# Altium PCB HYDRA_V3_NAV_CRIPPLED.PcbDoc (part 1 of 2) (continued)
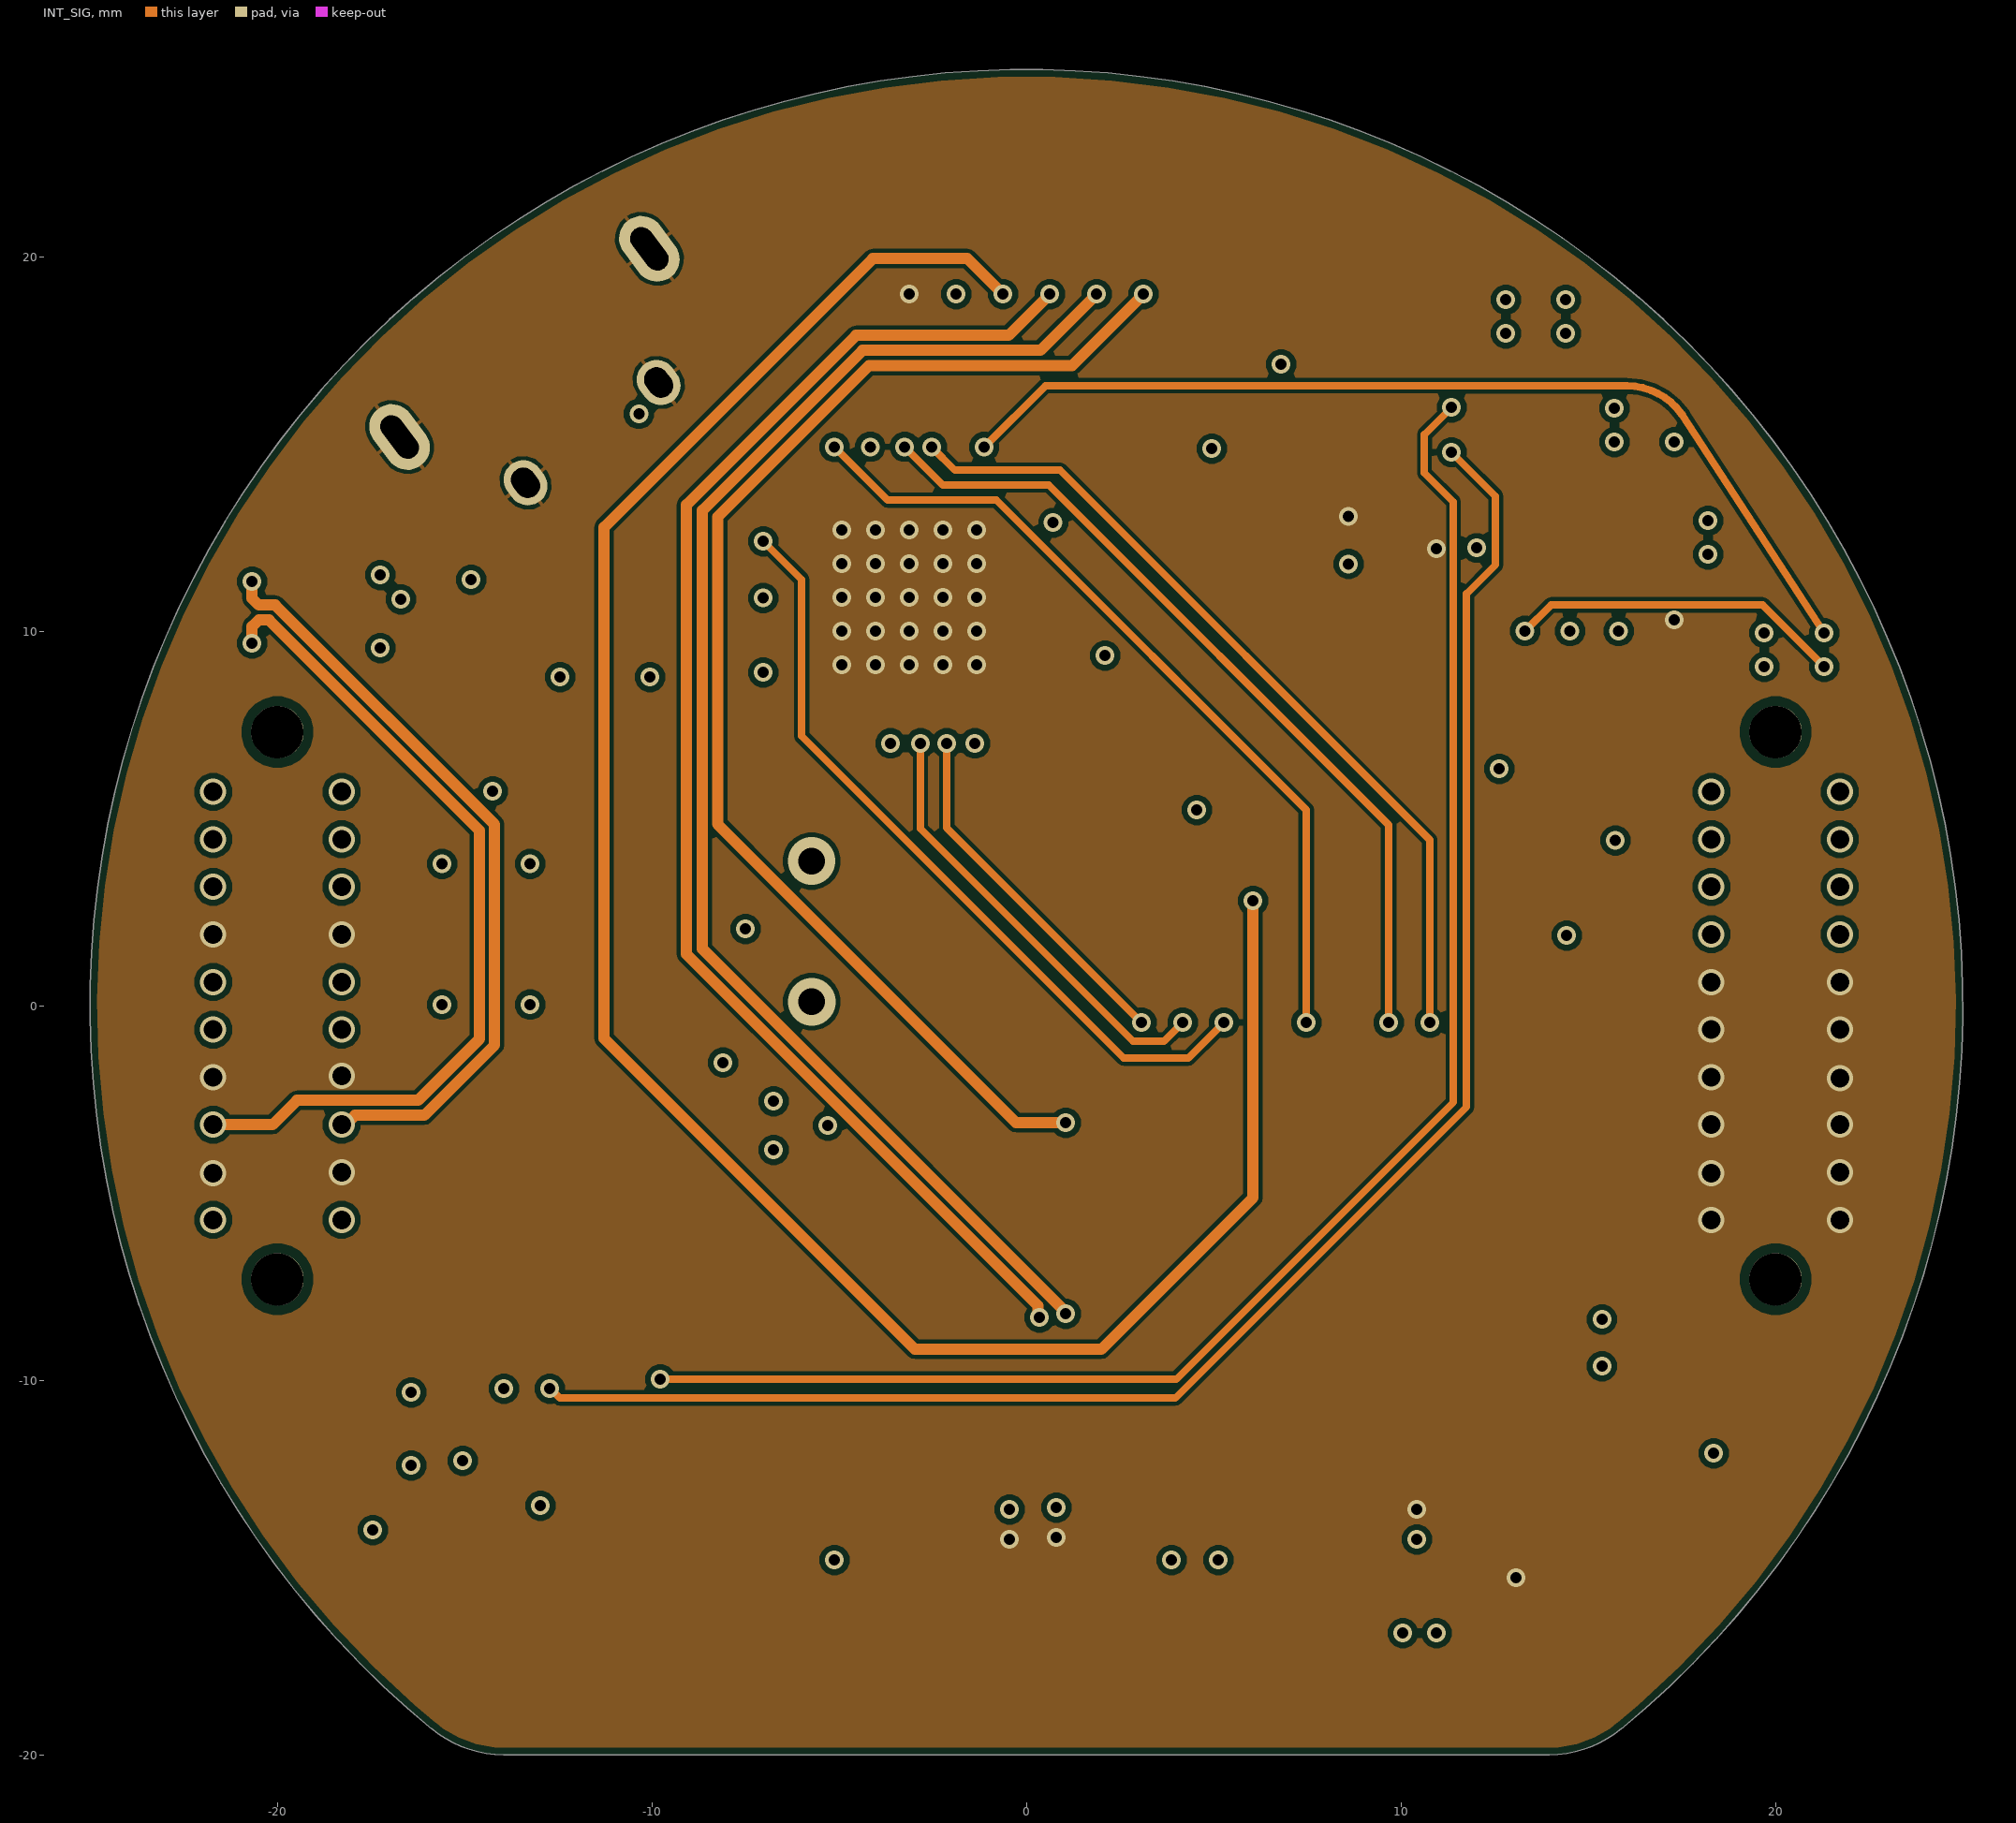
[diagram p3: INT_SIG]
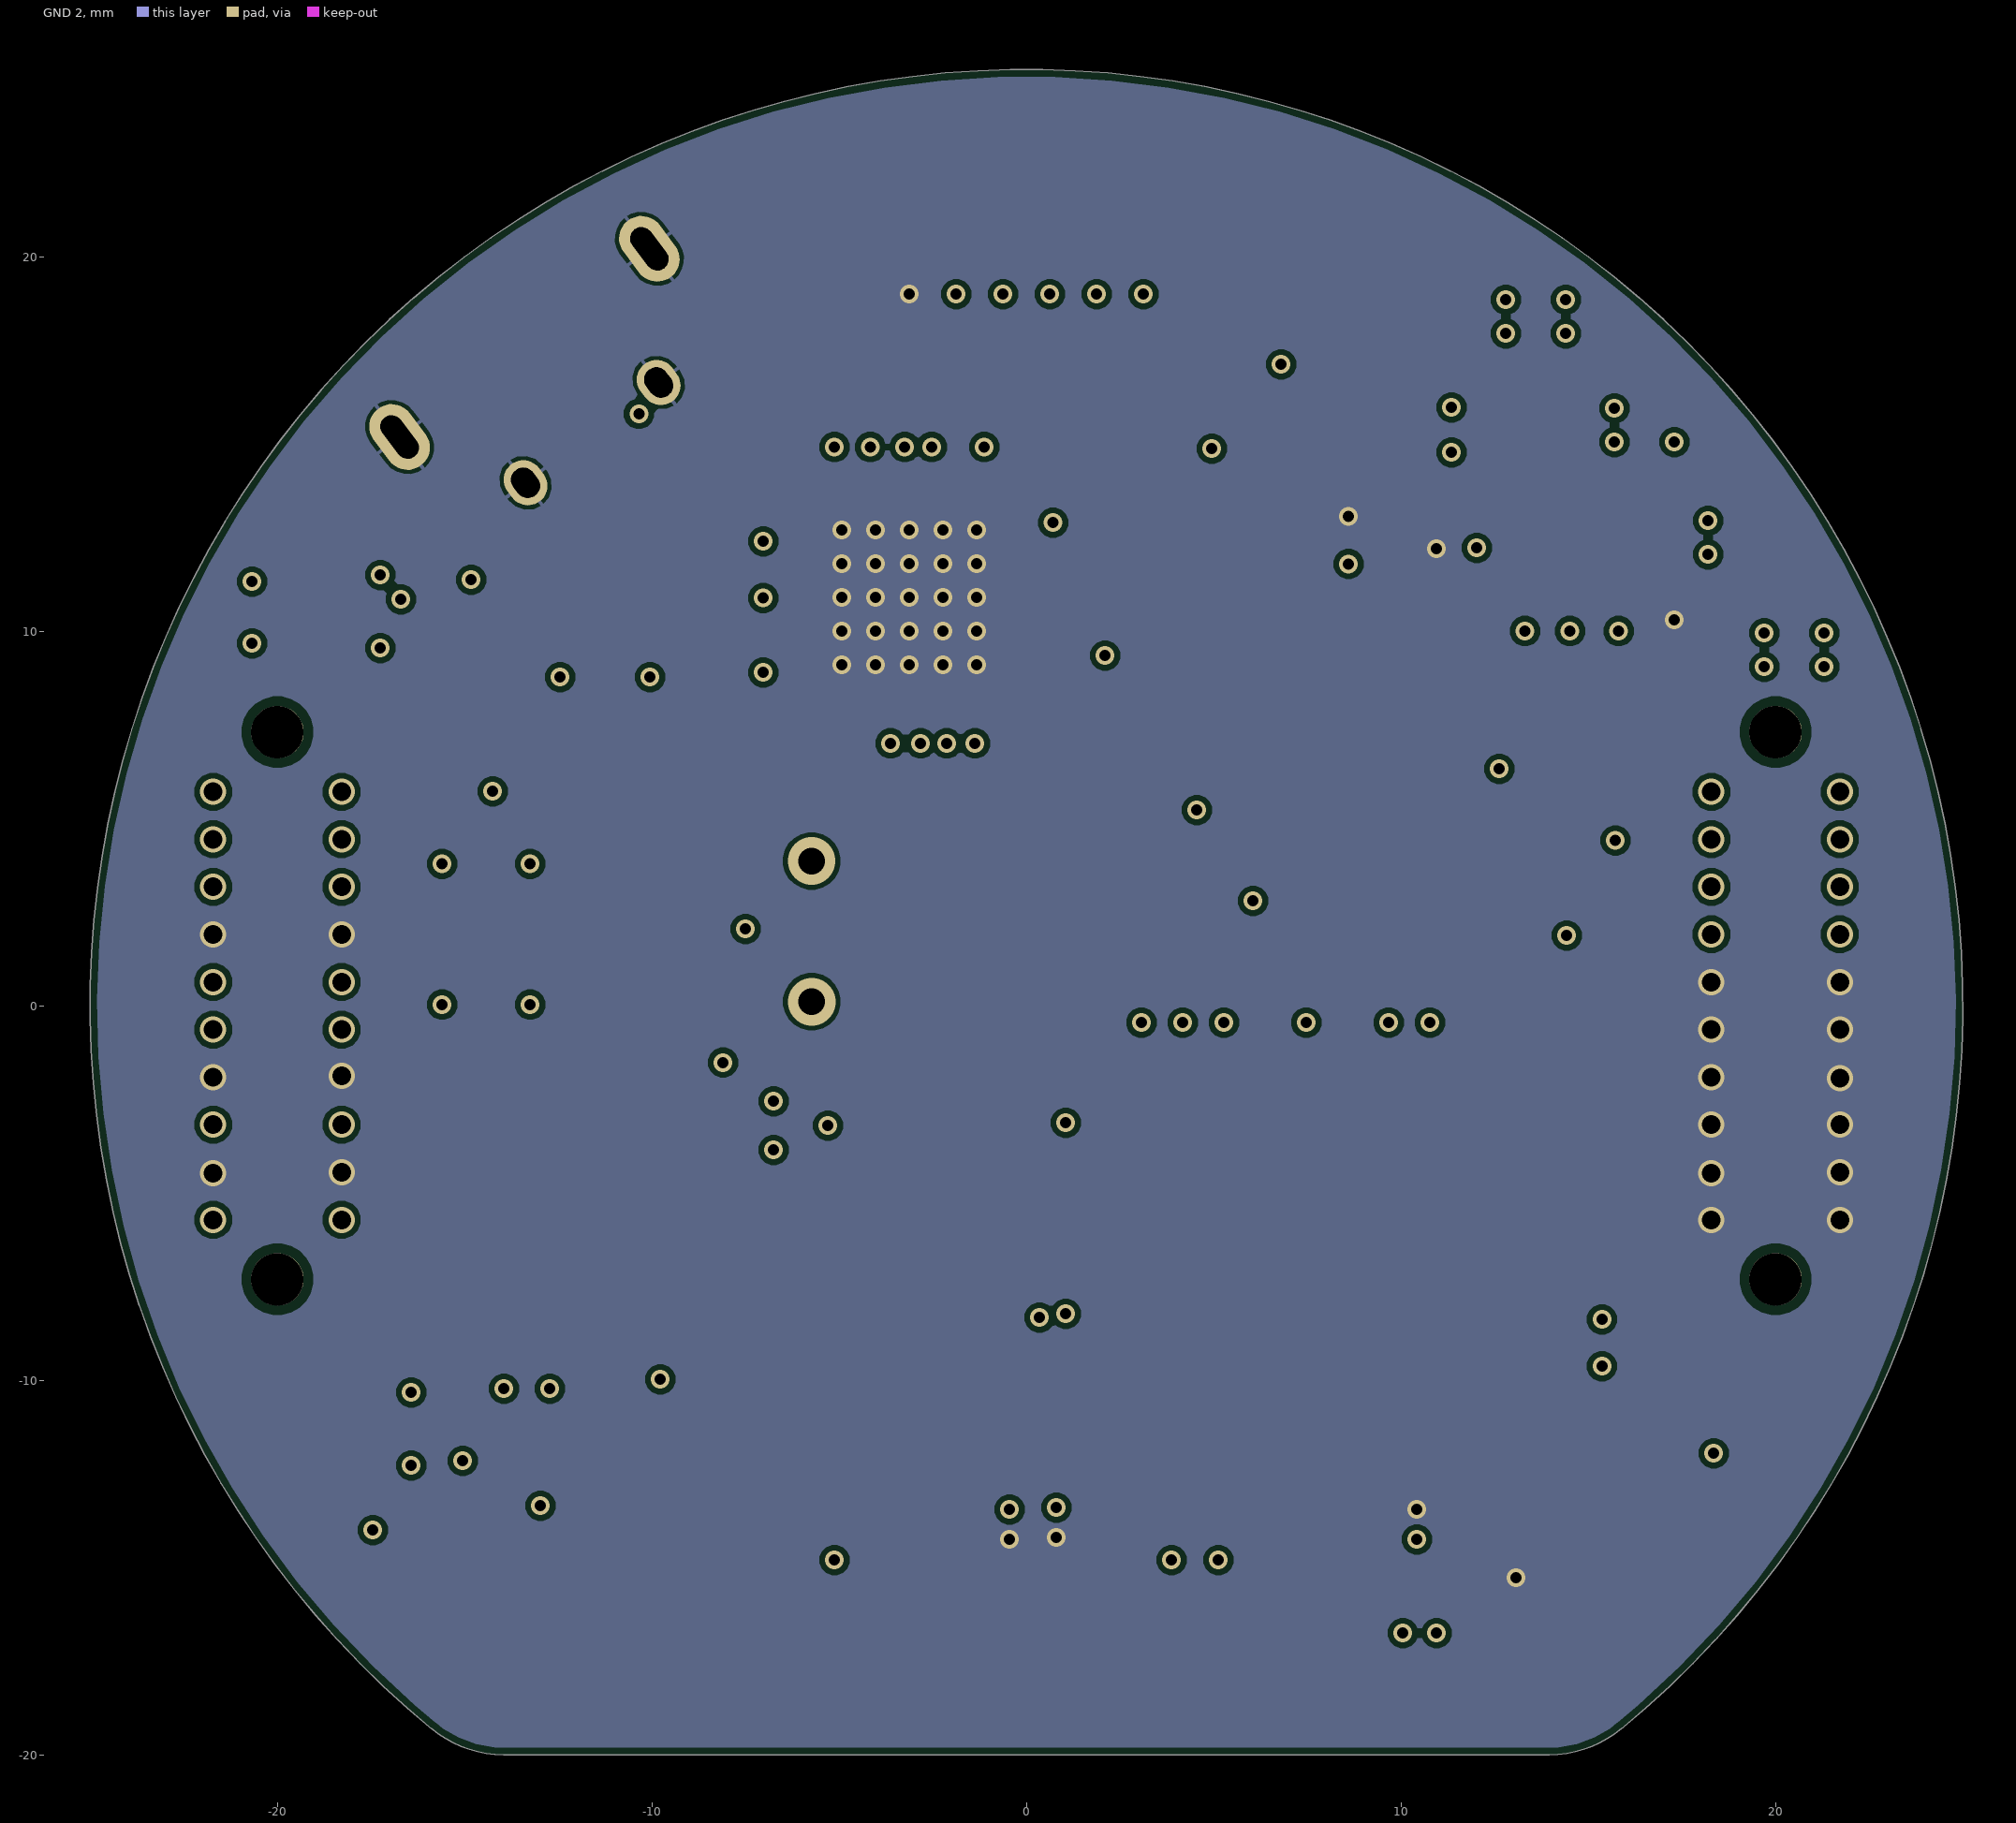
[diagram p4: GND 2]
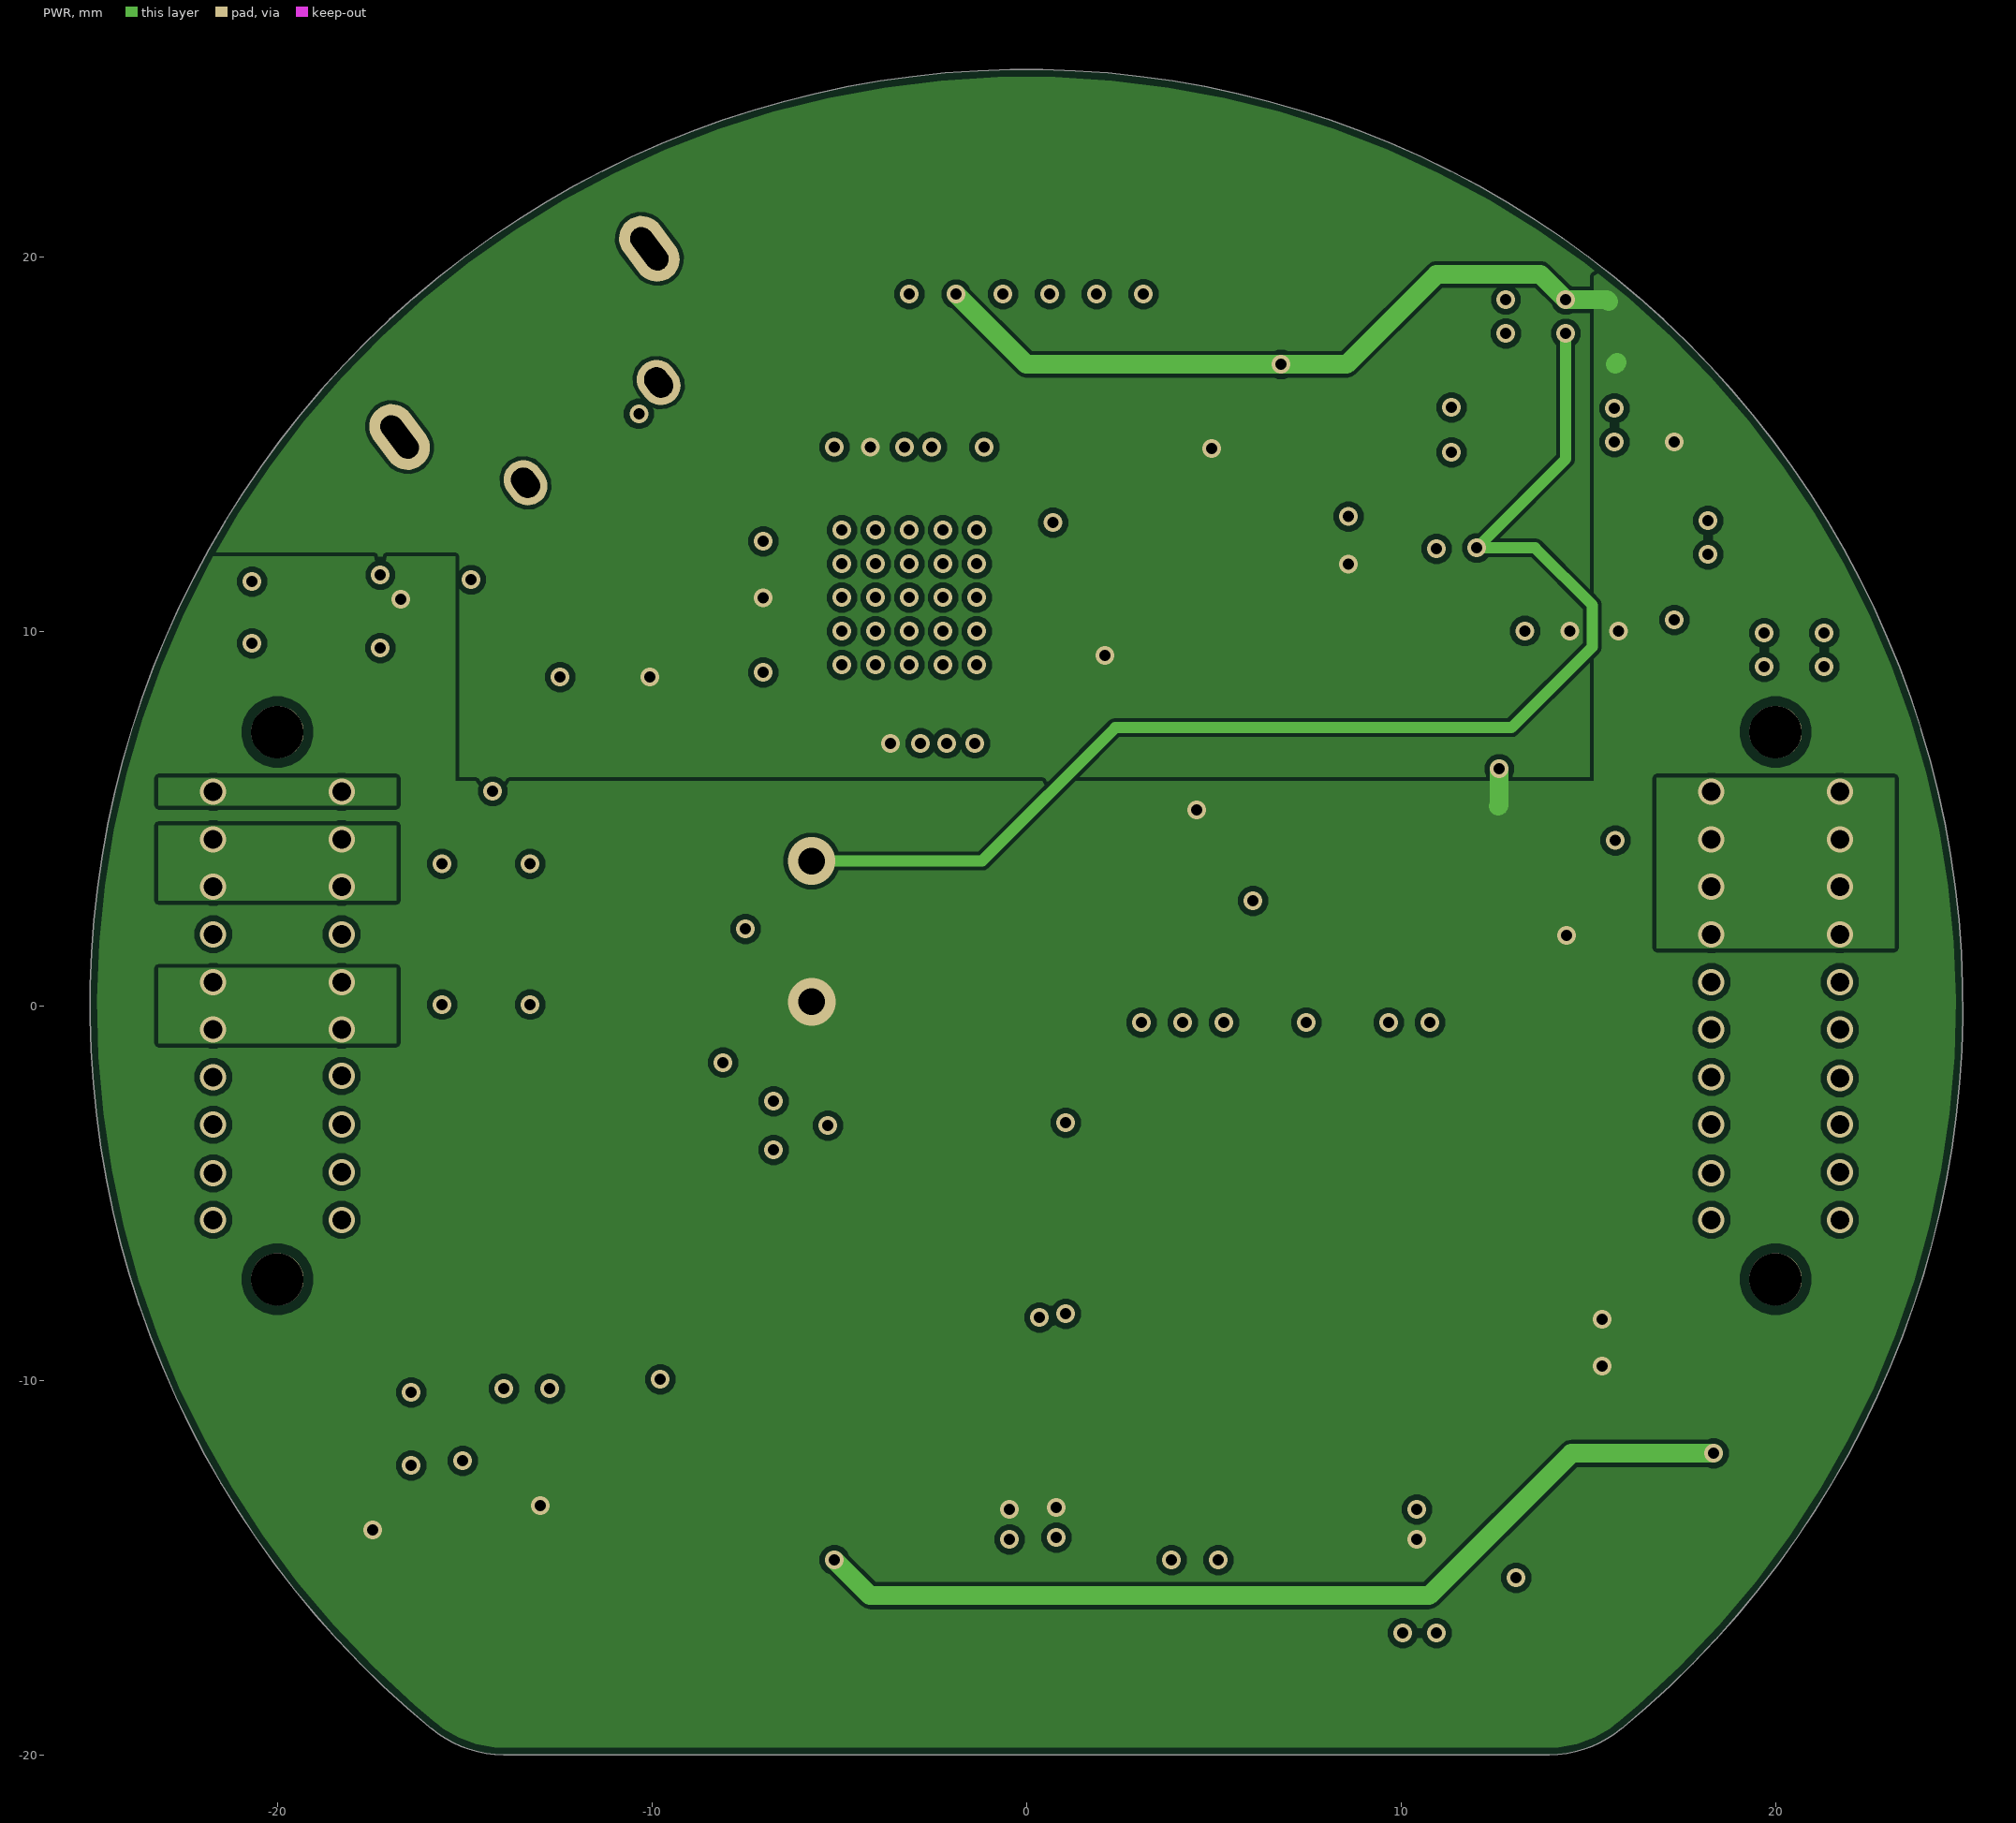
[diagram p5: PWR]

## Layer stack, top to bottom
Top Solder: solder mask 0.0102, Solder Resist, Dk 3.5
Top Layer: signal copper 0.0356
Dielectric 2: prepreg 0.0711, PP-006, Dk 4.1
GND 1: signal copper 0.035
Dielectric 4: prepreg 0.0711, PP-006, Dk 4.1
INT_SIG: signal copper 0.035
Dielectric 1: dielectric 0.32, FR-4, Dk 4.8
GND 2: signal copper 0.035
Dielectric 5: prepreg 0.0711, PP-006, Dk 4.1
PWR: signal copper 0.035
Dielectric 3: prepreg 0.0711, PP-006, Dk 4.1
Bottom Layer: signal copper 0.0356
Bottom Solder: solder mask 0.0102, Solder Resist, Dk 3.5

## Board outline
-15.888,-19.298 ccw(c-13.96,-17) -13.96,-20 13.96,-20 ccw(c13.96,-17) 15.888,-19.298 15.868,-19.318 ccw(c0,0)

## Design rules (kind name [scope] priority, off if disabled: settings)
BoardOutlineClearance [All] p1: gap=0.2 ignorepadtopadclearanceinfootprint=FALSE
Clearance [All] p1: gap=0.102 ignorepadtopadclearanceinfootprint=FALSE except(0.127: Arc-Via Track-Via SMDPad-Via THPad-Via Via-Via Via-Fill Via-Poly Via-Region Via-Text; 0.25: Arc-Hole Track-Hole SMDPad-Hole THPad-Hole Via-Hole Fill-Hole Poly-Hole Region-Hole Text-Hole)
ComponentClearance [All] p1: gap=0.102 collisioncheckmode=3 verticalgap=0.102 showdistances=TRUE
DiffPairsRouting [All] p1: maxlimit=0.102 minlimit=0.102 mostfreqgap=0.102 toplayer_minwidth=0.102 toplayer_maxwidth=1816.048 toplayer_prefwidth=0.102 midlayer1_minwidth=0.102 midlayer1_maxwidth=1816.048 midlayer1_prefwidth=0.102 midlayer2_minwidth=0.102 midlayer2_maxwidth=1816.048 midlayer2_prefwidth=0.102 midlayer3_minwidth=0.102 midlayer3_maxwidth=1816.048 midlayer3_prefwidth=0.102 midlayer4_minwidth=0.102 midlayer4_maxwidth=1816.048 midlayer4_prefwidth=0.102 bottomlayer_minwidth=0.102 bottomlayer_maxwidth=1816.048 bottomlayer_prefwidth=0.102 maxuncoupledlength=12.7
Height [All] p1: minheight=0 maxheight=1816.048 prefheight=12.7
HoleSize [All] p1: absolutevalues=TRUE maxlimit=6.3 minlimit=0.2 maxpercent=80.000 minpercent=20.000
HoleToHoleClearance [All] p1: gap=0.25 allowstackedmicrovias=FALSE
MinimumAnnularRing [All] p1: minimumring=0.076
MinimumSolderMaskSliver [All] p1: minsoldermaskwidth=0
PlaneClearance [All] p1: clearance=0.102
PlaneConnect PlaneConnectPowerPads [InPadClass('PowerPads')] p1: planeconnectstyle=Direct reliefexpansion=0.508 reliefentries=4 reliefconductorwidth=0.254 reliefairgap=0.254
PlaneConnect [All] p2: pad.planeconnectstyle=Relief pad.reliefexpansion=0.3 pad.reliefentries=4 pad.reliefconductorwidth=0.102 pad.reliefairgap=0.102 via.planeconnectstyle=Direct via.reliefexpansion=0.3 via.reliefentries=4 via.reliefconductorwidth=0.127 via.reliefairgap=0.127
PolygonConnect PolygonConnectPowerPads [All vs (InPadClass('PowerPads'))] p1: connectstyle=Direct reliefconductorwidth=0.254 reliefentries=4 polygonreliefangle="90 Angle" airgapwidth=0.254
PolygonConnect [All] p2: thpad.connectstyle=Relief thpad.reliefconductorwidth=0.102 thpad.reliefentries=4 thpad.polygonreliefangle="90 Angle" thpad.airgapwidth=0.102 smdpad.connectstyle=Direct smdpad.reliefconductorwidth=0.102 smdpad.reliefentries=4 smdpad.polygonreliefangle="90 Angle" smdpad.airgapwidth=0.102 via.connectstyle=Direct via.reliefconductorwidth=0.127 via.reliefentries=4 via.polygonreliefangle="90 Angle" via.airgapwidth=0.127
RoutingVias [All] p1: holewidth=0.2 width=0.45 viastyle="Through Hole" minholewidth=0.2 minwidth=0.45 maxholewidth=6.3 maxwidth=6.55
SilkToSilkClearance [All] p1: silktosilkclearance=0
SilkToSolderMaskClearance [IsPad] p1: minsilkscreentomaskgap=0.102 clearancetoexposedcopper=TRUE
SolderMaskExpansion [All] p1: expansion=0.075 istentingtop=FALSE
Width [All] p1: maxlimit=1816.048 minlimit=0.102 preferedwidth=0.102
20 further rules are at their usual default settings.

## Classes and differential pairs
component class SD: C26 C29 C30 C31 C32 C33 C34 C35 C36 C37 C38 C39 C40 C41 C42 C43 C44 D10 Q7 Q8 R29 R30 R31 R32 R34 R43 R44 R45 R46 R47 R48 R49 R50 R51 R52 R53 R54 R55 R56 R57 SD1 U10 U11 U12 U13 U14 Y3
component class SBG: C21 C22 C23 C24 C25 D9 Q5 Q6 R25 R26 R27 R28 R39 R40 R41 R42 U6 U9
component class OC_PROT: C15 C16 D5 D6 D8 Q1 Q2 Q3 Q4 R9 R11 R12 R13 R14 R15 R16 R17 TP9 TP10 TP14 U3 U4
component class STM32H733_PINOUT: C1 C2 C3 C4 C5 C6 C7 C8 C9 C10 C11 C12 C13 C14 C17 C18 C19 C20 C27 C28 D1 D2 D4 D7 D12 P3 R1 R2 R3 R4 R5 R6 R7 R8 R10 R18 R19 R20 R21 R22 R23 R24 R33 R35 R36 R37 R38 SW1 TP1 TP2 TP3 TP4 TP5 TP6 TP7 TP8 TP11 TP12 TP13 TP15 U1 U2 U5 U7 U8 Y1 Y2
component class HYDRA_V3_NAV_CRIPPLED: FB1 J1 J2 J3 J4 J5 P1 P2
differential pair USB_D: +USB_D_P -USB_D_N
differential pair CAN2: +CAN2_P -CAN2_N
differential pair CAN1: +CAN1_P -CAN1_N
differential pair CAN0: +CAN0_P -CAN0_N

## Components (designator, comment, footprint, x,y, rotation, side; value= is the part's Value field where it differs from the comment)
C1 "CC0402JRNPO9BN500" FP-C0402-BB-MFG -4.475,2.375 r0 bottom value="50 pF"
C2 "CC0402JRNPO9BN500" FP-C0402-BB-MFG -0.45,-13.85 r90 bottom value="50 pF"
C3 "C1005X7S1A225K050BC" FP-C1005-050-0_15-0_1-MFG 0.8,-13.8 r270 bottom
C4 "CC0402JRNPO9BN500" FP-C0402-BB-MFG 2.05,6.675 r270 bottom value="50 pF"
C5 "CC0402JRNPO9BN500" FP-C0402-BB-MFG 4.55,6.7 r270 bottom value="50 pF"
C6 "C0402C104K8PACTU" FP-C0402-BB-MFG 10.5,6.45 r0 top value="0.10 μF"
C7 "CC0402JRNPO9BN500" FP-C0402-BB-MFG 13.225,6.7 r270 bottom value="50 pF"
C8 "GRM155R71C104KA88D" FP-GRM15-MFG 11.975,6.65 r270 bottom value=0.10μF
C9 "CC0402JRNPO9BN500" FP-C0402-BB-MFG 15.765,-9.625 r180 bottom value="50 pF"
C10 "C1005X7S1A225K050BC" FP-C1005-050-0_15-0_1-MFG 15.765,-8.375 r0 bottom
C11 "CC0402JRNPO9BN500" FP-C0402-BB-MFG 15.35,2.275 r270 bottom value="50 pF"
C12 "C0402C104K8PACTU" FP-C0402-BB-MFG -17.1,10.85 r0 bottom value="0.10 μF"
C13 "08051A6R8CAT2A" FP-0805-L_2_01_0_2-W_1_25-MFG 7.05,10.375 r180 bottom
C14 "08051A6R8CAT2A" FP-0805-L_2_01_0_2-W_1_25-MFG 10.275,7.525 r270 bottom
C15 "C0402C104K8PACTU" FP-C0402-BB-MFG -14.2,3.015 r90 bottom value="0.10 μF"
C16 "C0402C104K8PACTU" FP-C0402-BB-MFG -15.175,-2.55 r0 bottom value="0.10 μF"
C17 "C0402C104K8PACTU" FP-C0402-BB-MFG -17.85,-14 r0 top value="0.10 μF"
C18 "C0402C104K8PACTU" FP-C0402-BB-MFG 8,19.9 r90 top value="0.10 μF"
C19 "C0805C180J5GACTU" FP-C0805C-DN-MFG 2.225,11.225 r90 bottom value="18 pF"
C20 "C0805C180J5GACTU" FP-C0805C-DN-MFG 4.375,11.225 r90 bottom value="18 pF"
C21 "C0402C104K8PACTU" FP-C0402-BB-MFG -12.975,-12.95 r90 top value="0.10 μF"
C22 "C0603X104K5RACTU" FP-C0603-CJ-MFG -13.2,-8.275 r270 top value=100nF
C23 "C0603X104K5RACTU" FP-C0603-CJ-MFG -3.275,-12.575 r270 top value=100nF
C24 "C0603X104K5RACTU" FP-C0603-CJ-MFG -14.9,-8.275 r270 top value=100nF
C25 "C0603X104K5RACTU" FP-C0603-CJ-MFG -3.275,-9.975 r270 top value=100nF
C26 "C0402C104K8PACTU" FP-C0402-BB-MFG 13.7,6.45 r0 top value="0.10 μF"
C27 "C0402C104K8PACTU" FP-C0402-BB-MFG 10.425,-13.85 r270 bottom value="0.10 μF"
C28 "C0402C104K8PACTU" FP-C0402-BB-MFG 18.35,-12.35 r90 bottom value="0.10 μF"
C29 "CC0603KRX7R7BB105" FP-CC0603-DA-MFG -12.1,12.125 r0 top value="1 uF"
C30 "C0402C104K8PACTU" FP-C0402-BB-MFG -6.629,8.899 r180 bottom value="0.10 μF"
C31 "C0603C475K9PACTU" FP-C0603-CG-MFG 5.55,14.875 r0 top value=4.7uF
C32 "C0402C104K8PACTU" FP-C0402-BB-MFG -6.629,10.886 r180 bottom value="0.10 μF"
C33 "C0402C104K8PACTU" FP-C0402-BB-MFG -3.635,7.405 r270 bottom value="0.10 μF"
C34 "C0402C104K8PACTU" FP-C0402-BB-MFG -4.17,14.518 r90 bottom value="0.10 μF"
C35 "CC0603KRX7R7BB105" FP-CC0603-DA-MFG -9.4,12.125 r180 top value="1 uF"
C36 "CC0603KRX7R7BB105" FP-CC0603-DA-MFG 3.134,14.724 r90 top value="1 uF"
C37 "C0402C104K8PACTU" FP-C0402-BB-MFG 0.309,12.899 r0 bottom value="0.10 μF"
C38 "C0603C475K9PACTU" FP-C0603-CG-MFG 10.125,7.925 r0 top value=4.7uF
C39 "CC0603KRX7R9BB102" FP-CC0603-DA-MFG -3.3,5.3 r270 top value="1.0 nF"
C40 "CC0603KRX7R7BB105" FP-CC0603-DA-MFG -12.451,8.025 r270 bottom value="1 uF"
C41 "CC0603KRX7R7BB105" FP-CC0603-DA-MFG -10.05,8.025 r270 bottom value="1 uF"
C42 "C0402C104K8PACTU" FP-C0402-BB-MFG 8.2,11.795 r0 bottom value="0.10 μF"